# Altium PCB OCP-TimeCardMini-TI_V1.PcbDoc (part 1 of 11)
Units mil, origin at the board's own origin, x right, y up, seen from the top; angles counter-clockwise.
Board outline 5300.46 x 4396.02 mil, 10 copper layers (L01-TOP, L02-GND, L03-SIG, L04-GND, L05-PWR, L06-PWR, L07-GND, L08-SIG, L09-GND, L10-BOT), stack 77.164 mil thick; 832 components, 574 nets, 2904 pads, 1473 vias.
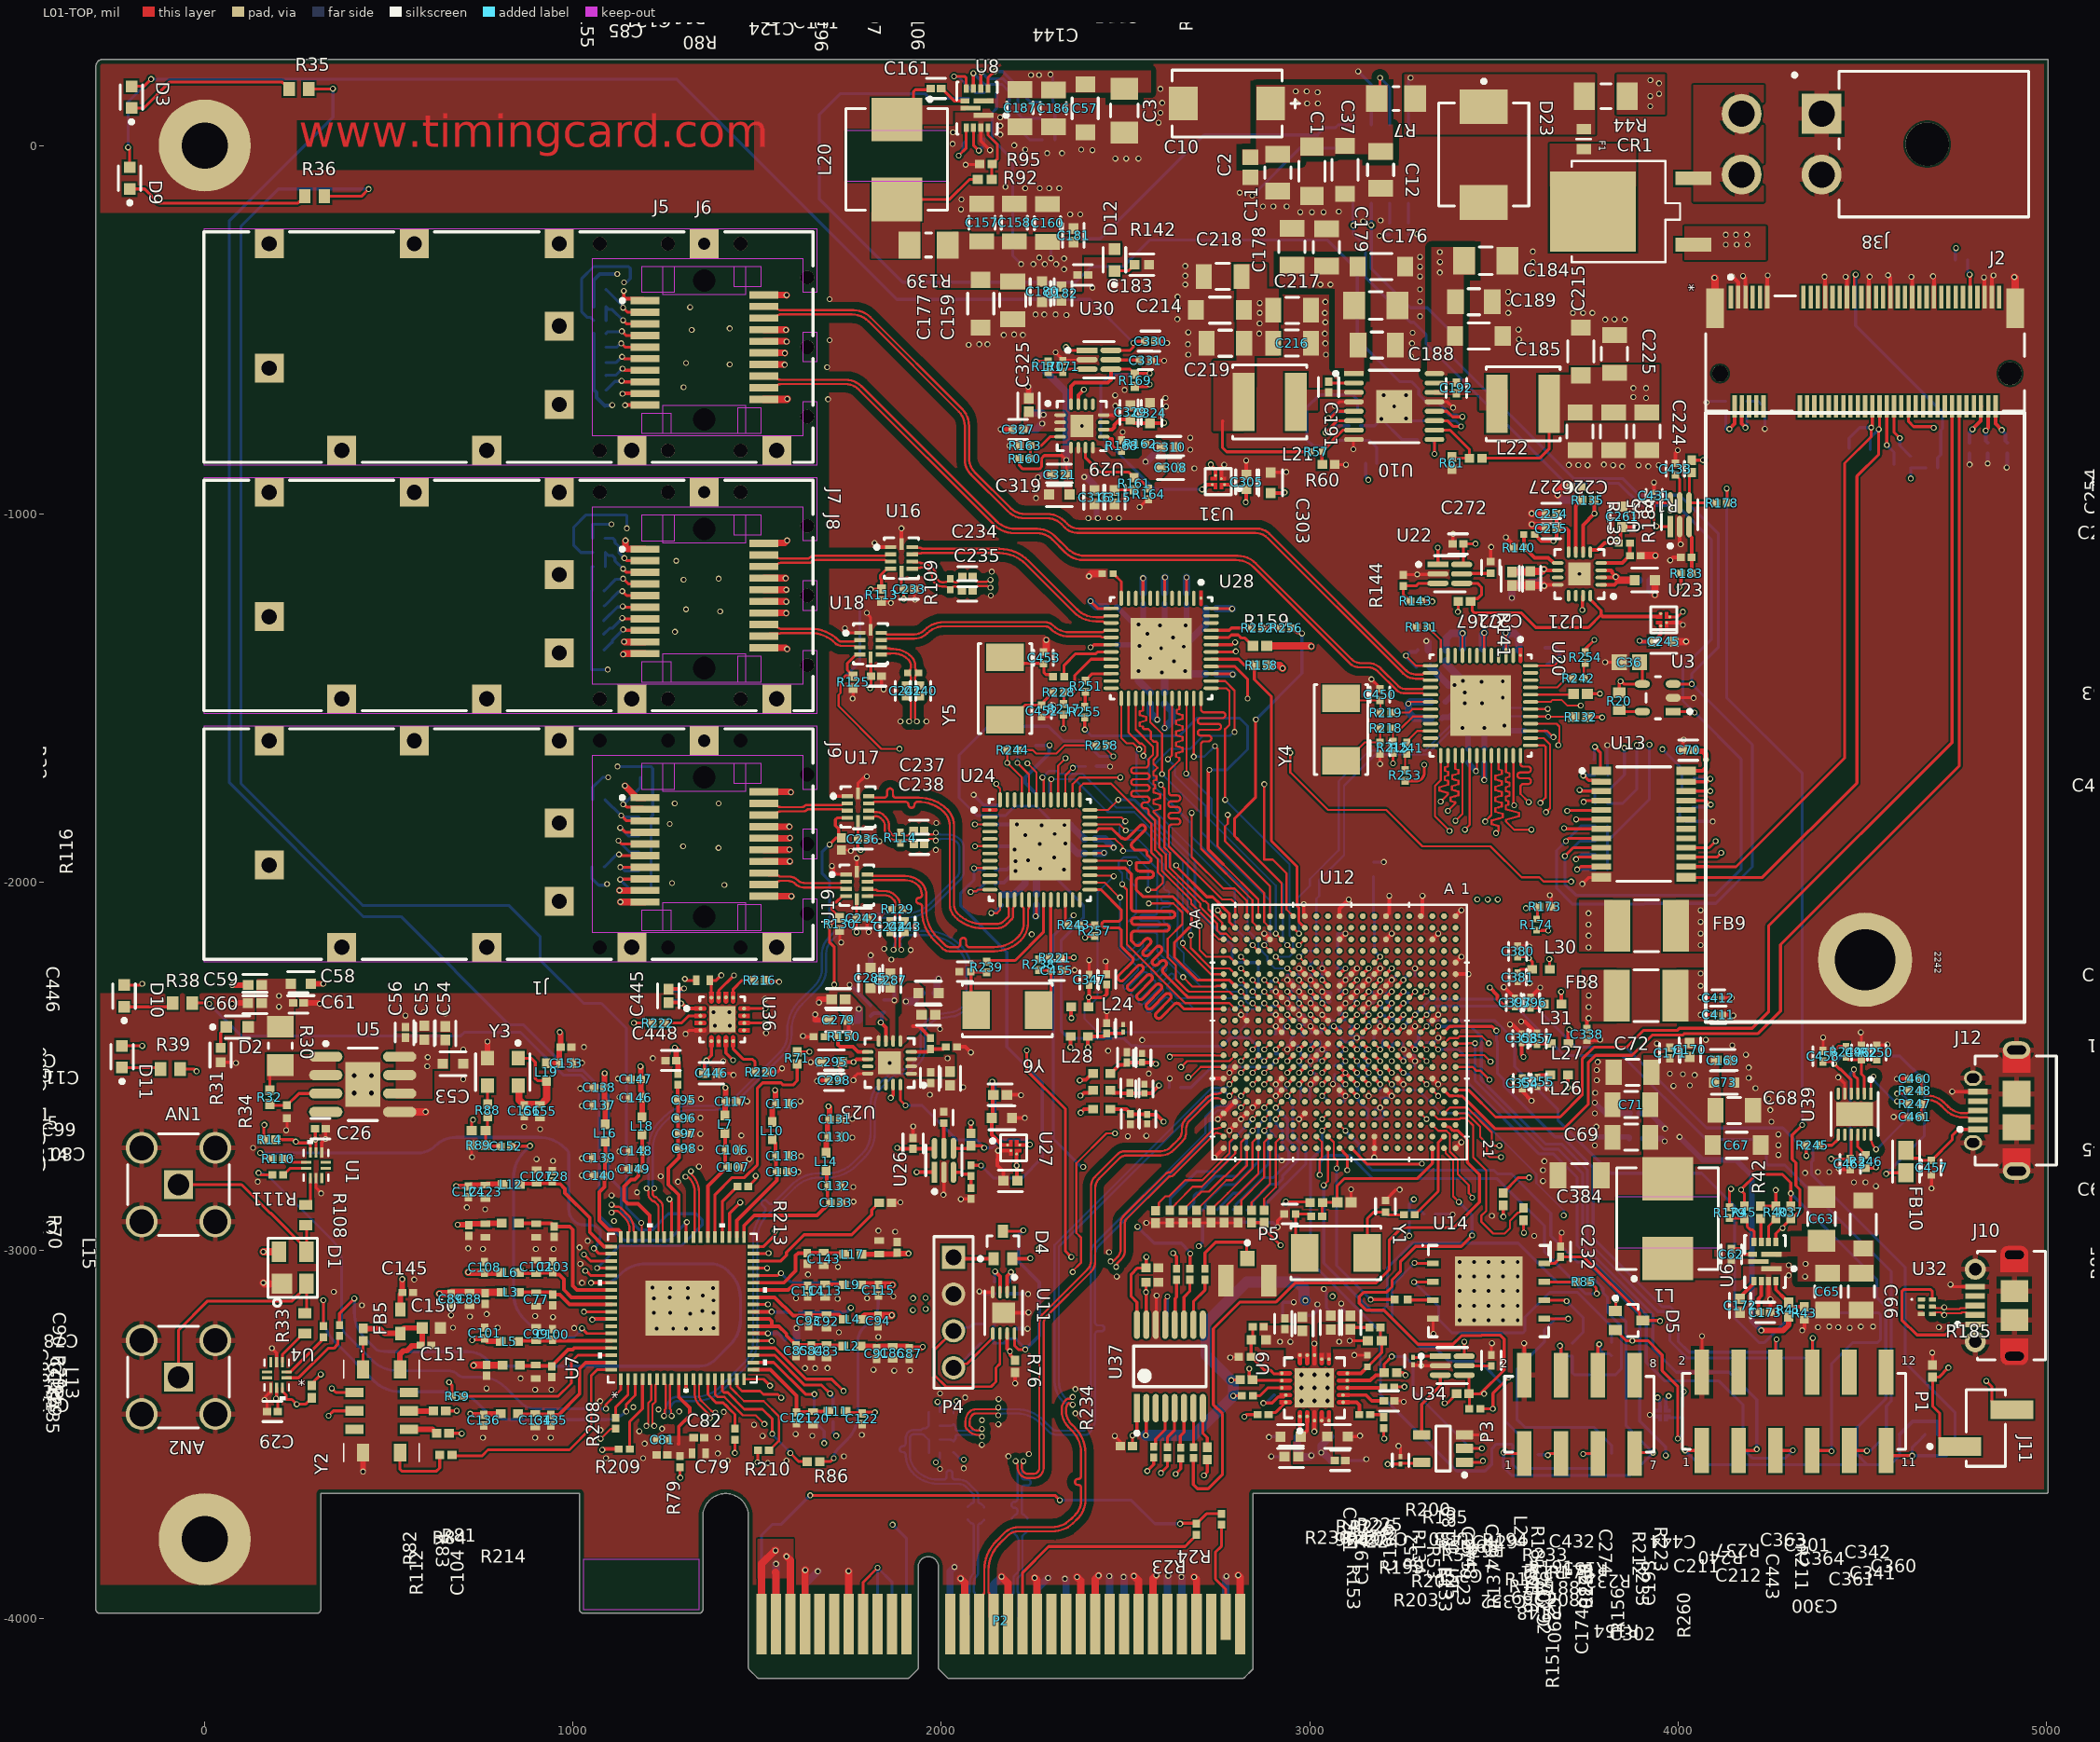
[diagram p0: L01-TOP view]
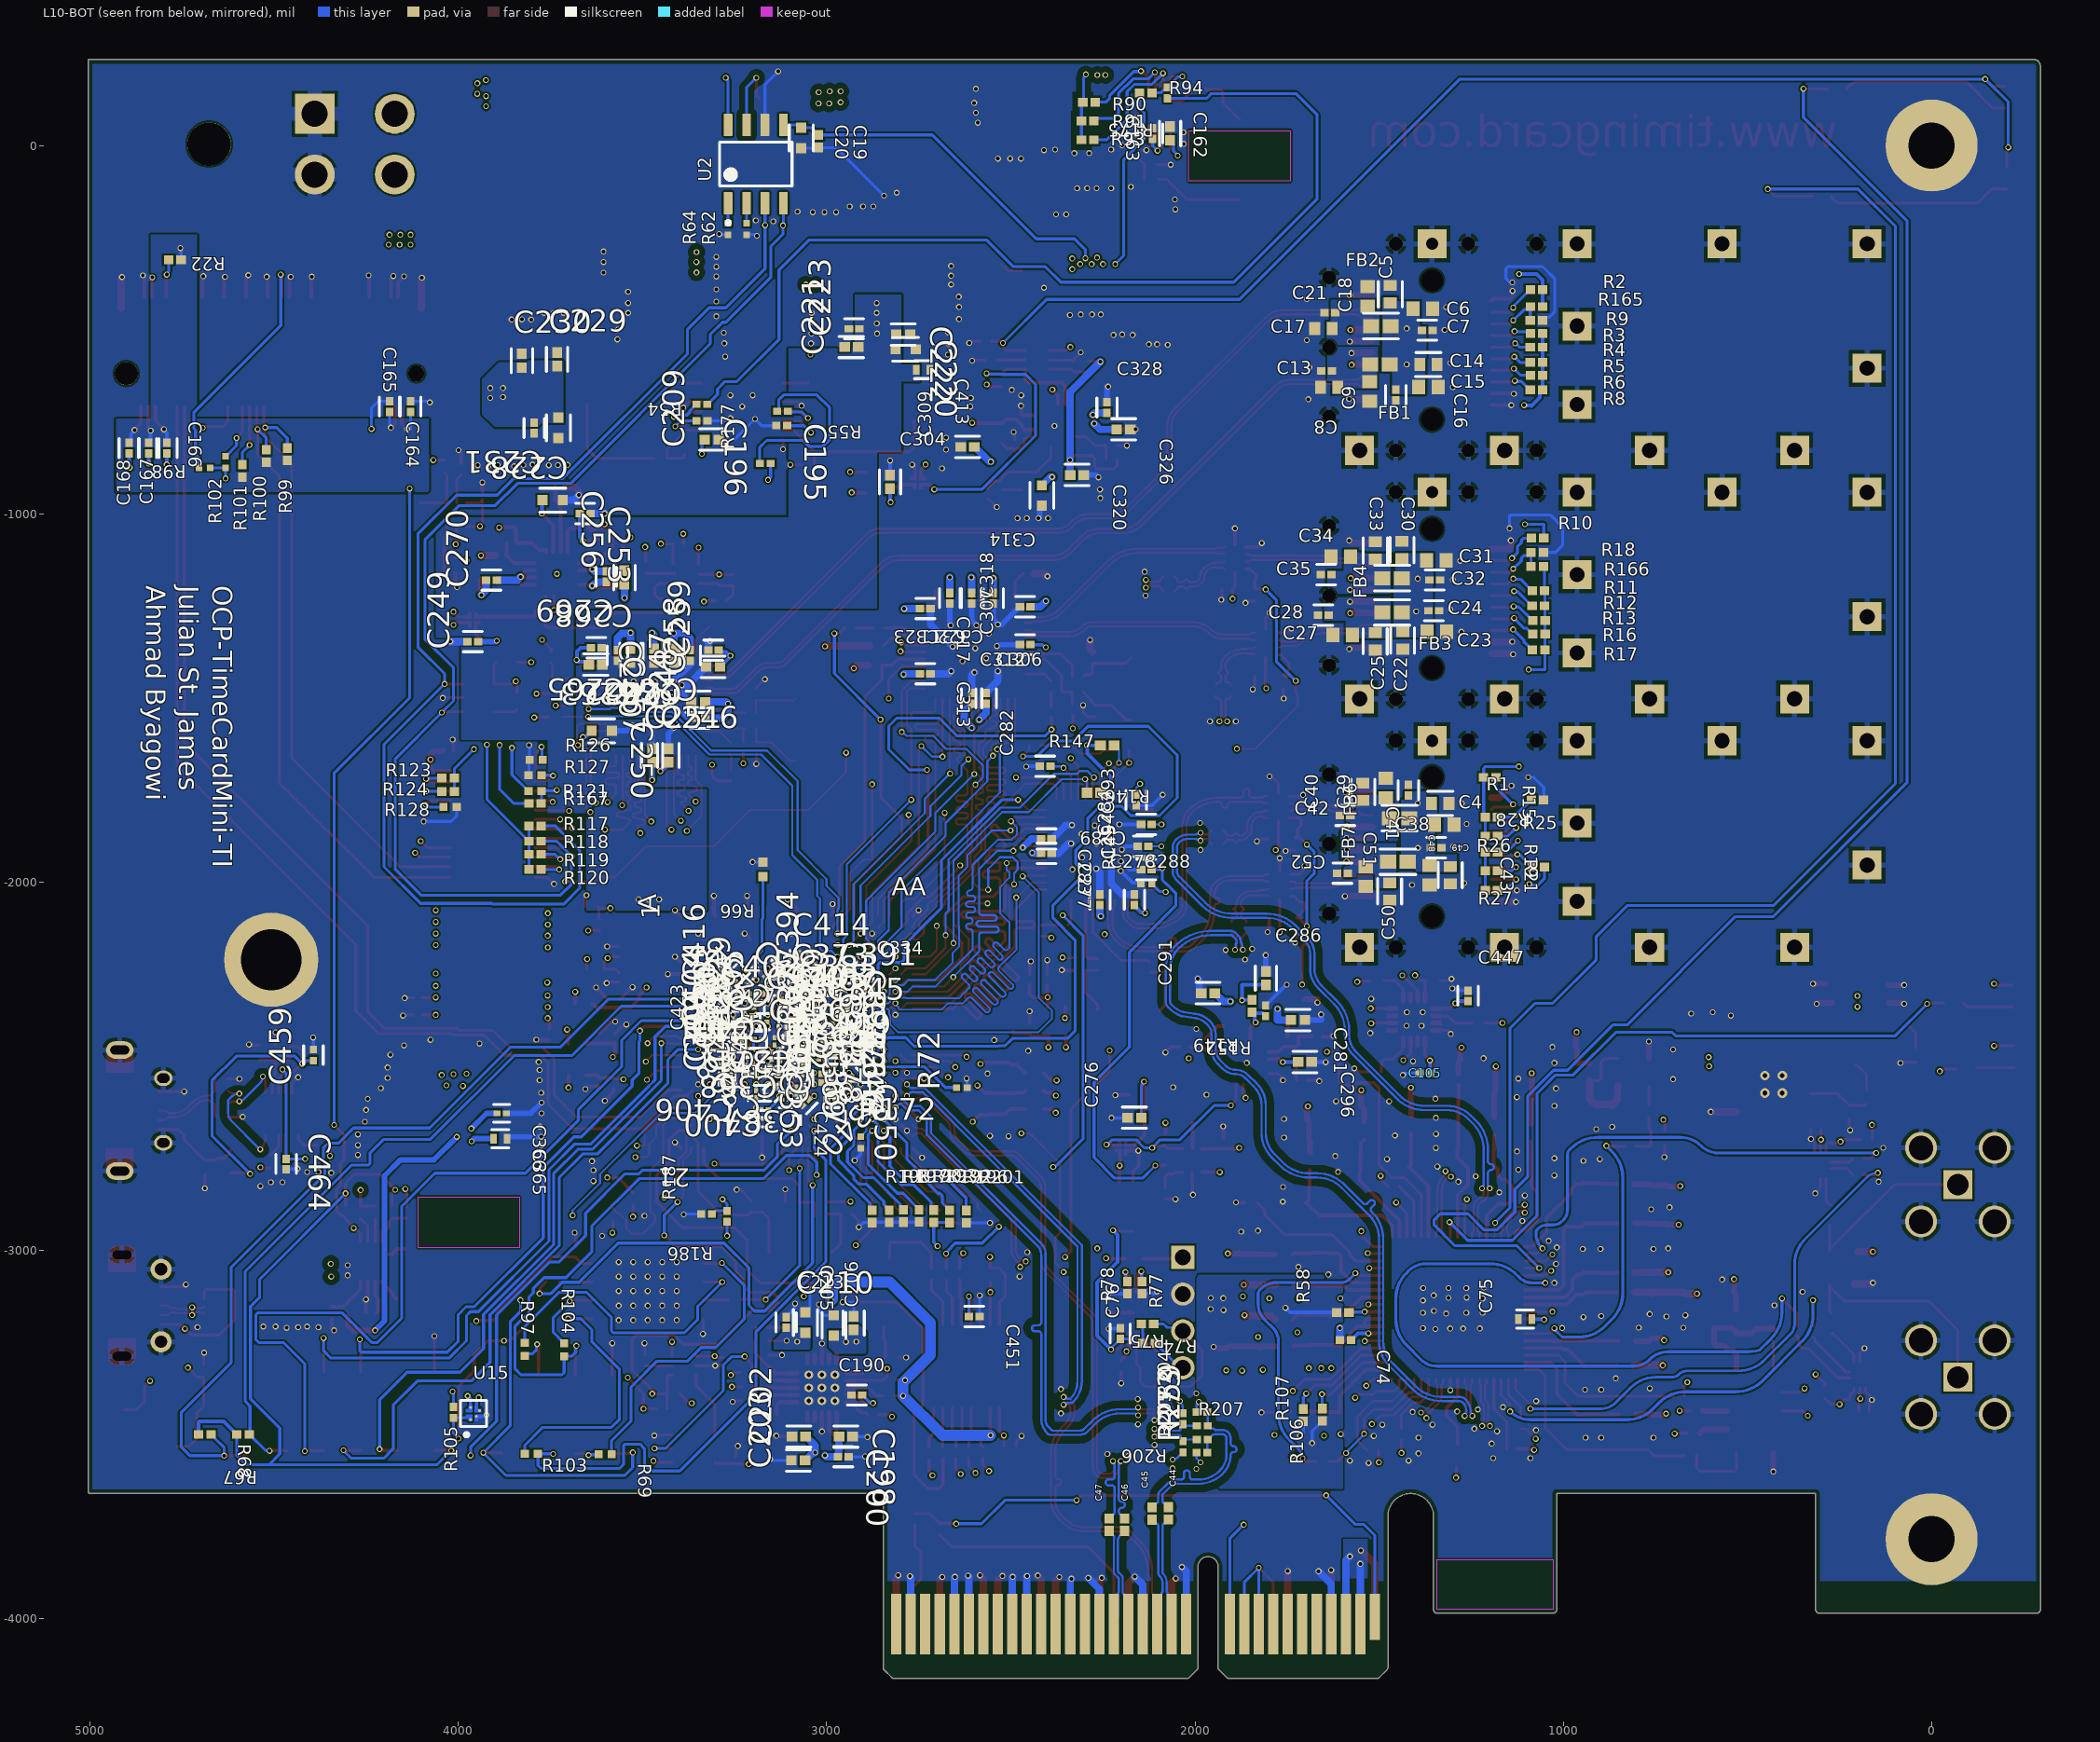
[diagram p1: L10-BOT view, seen from below]
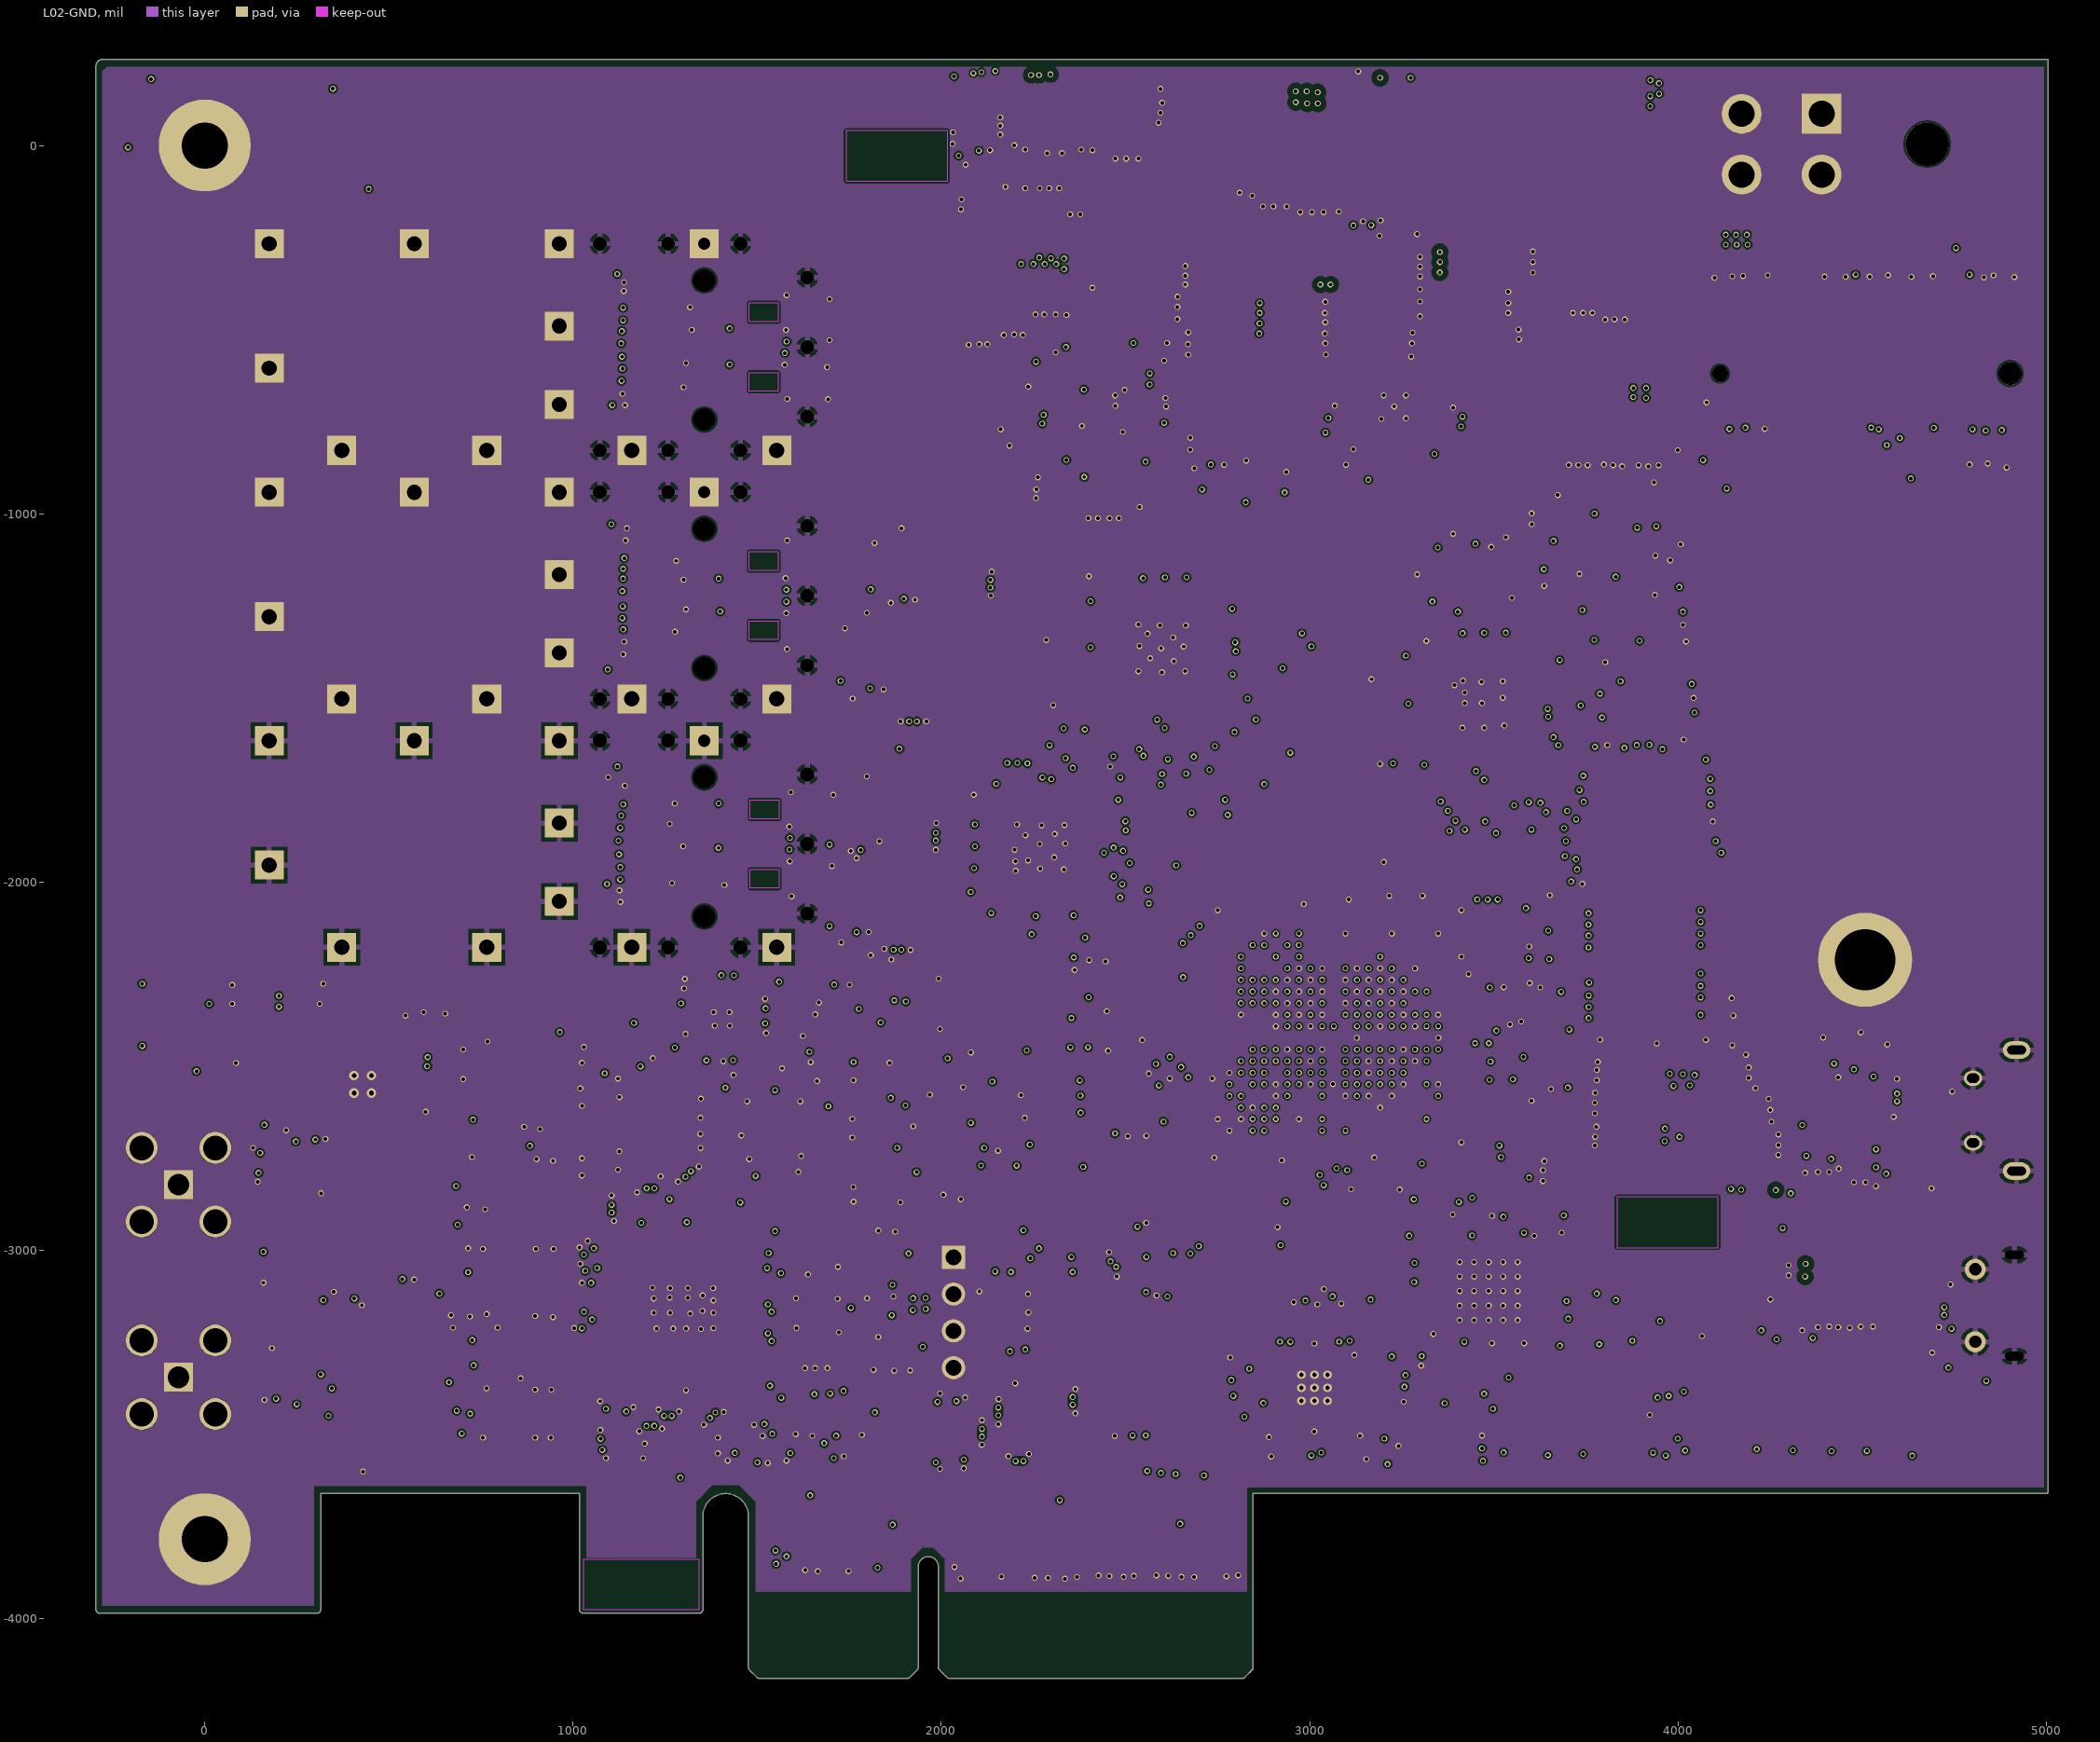
[diagram p2: L02-GND]
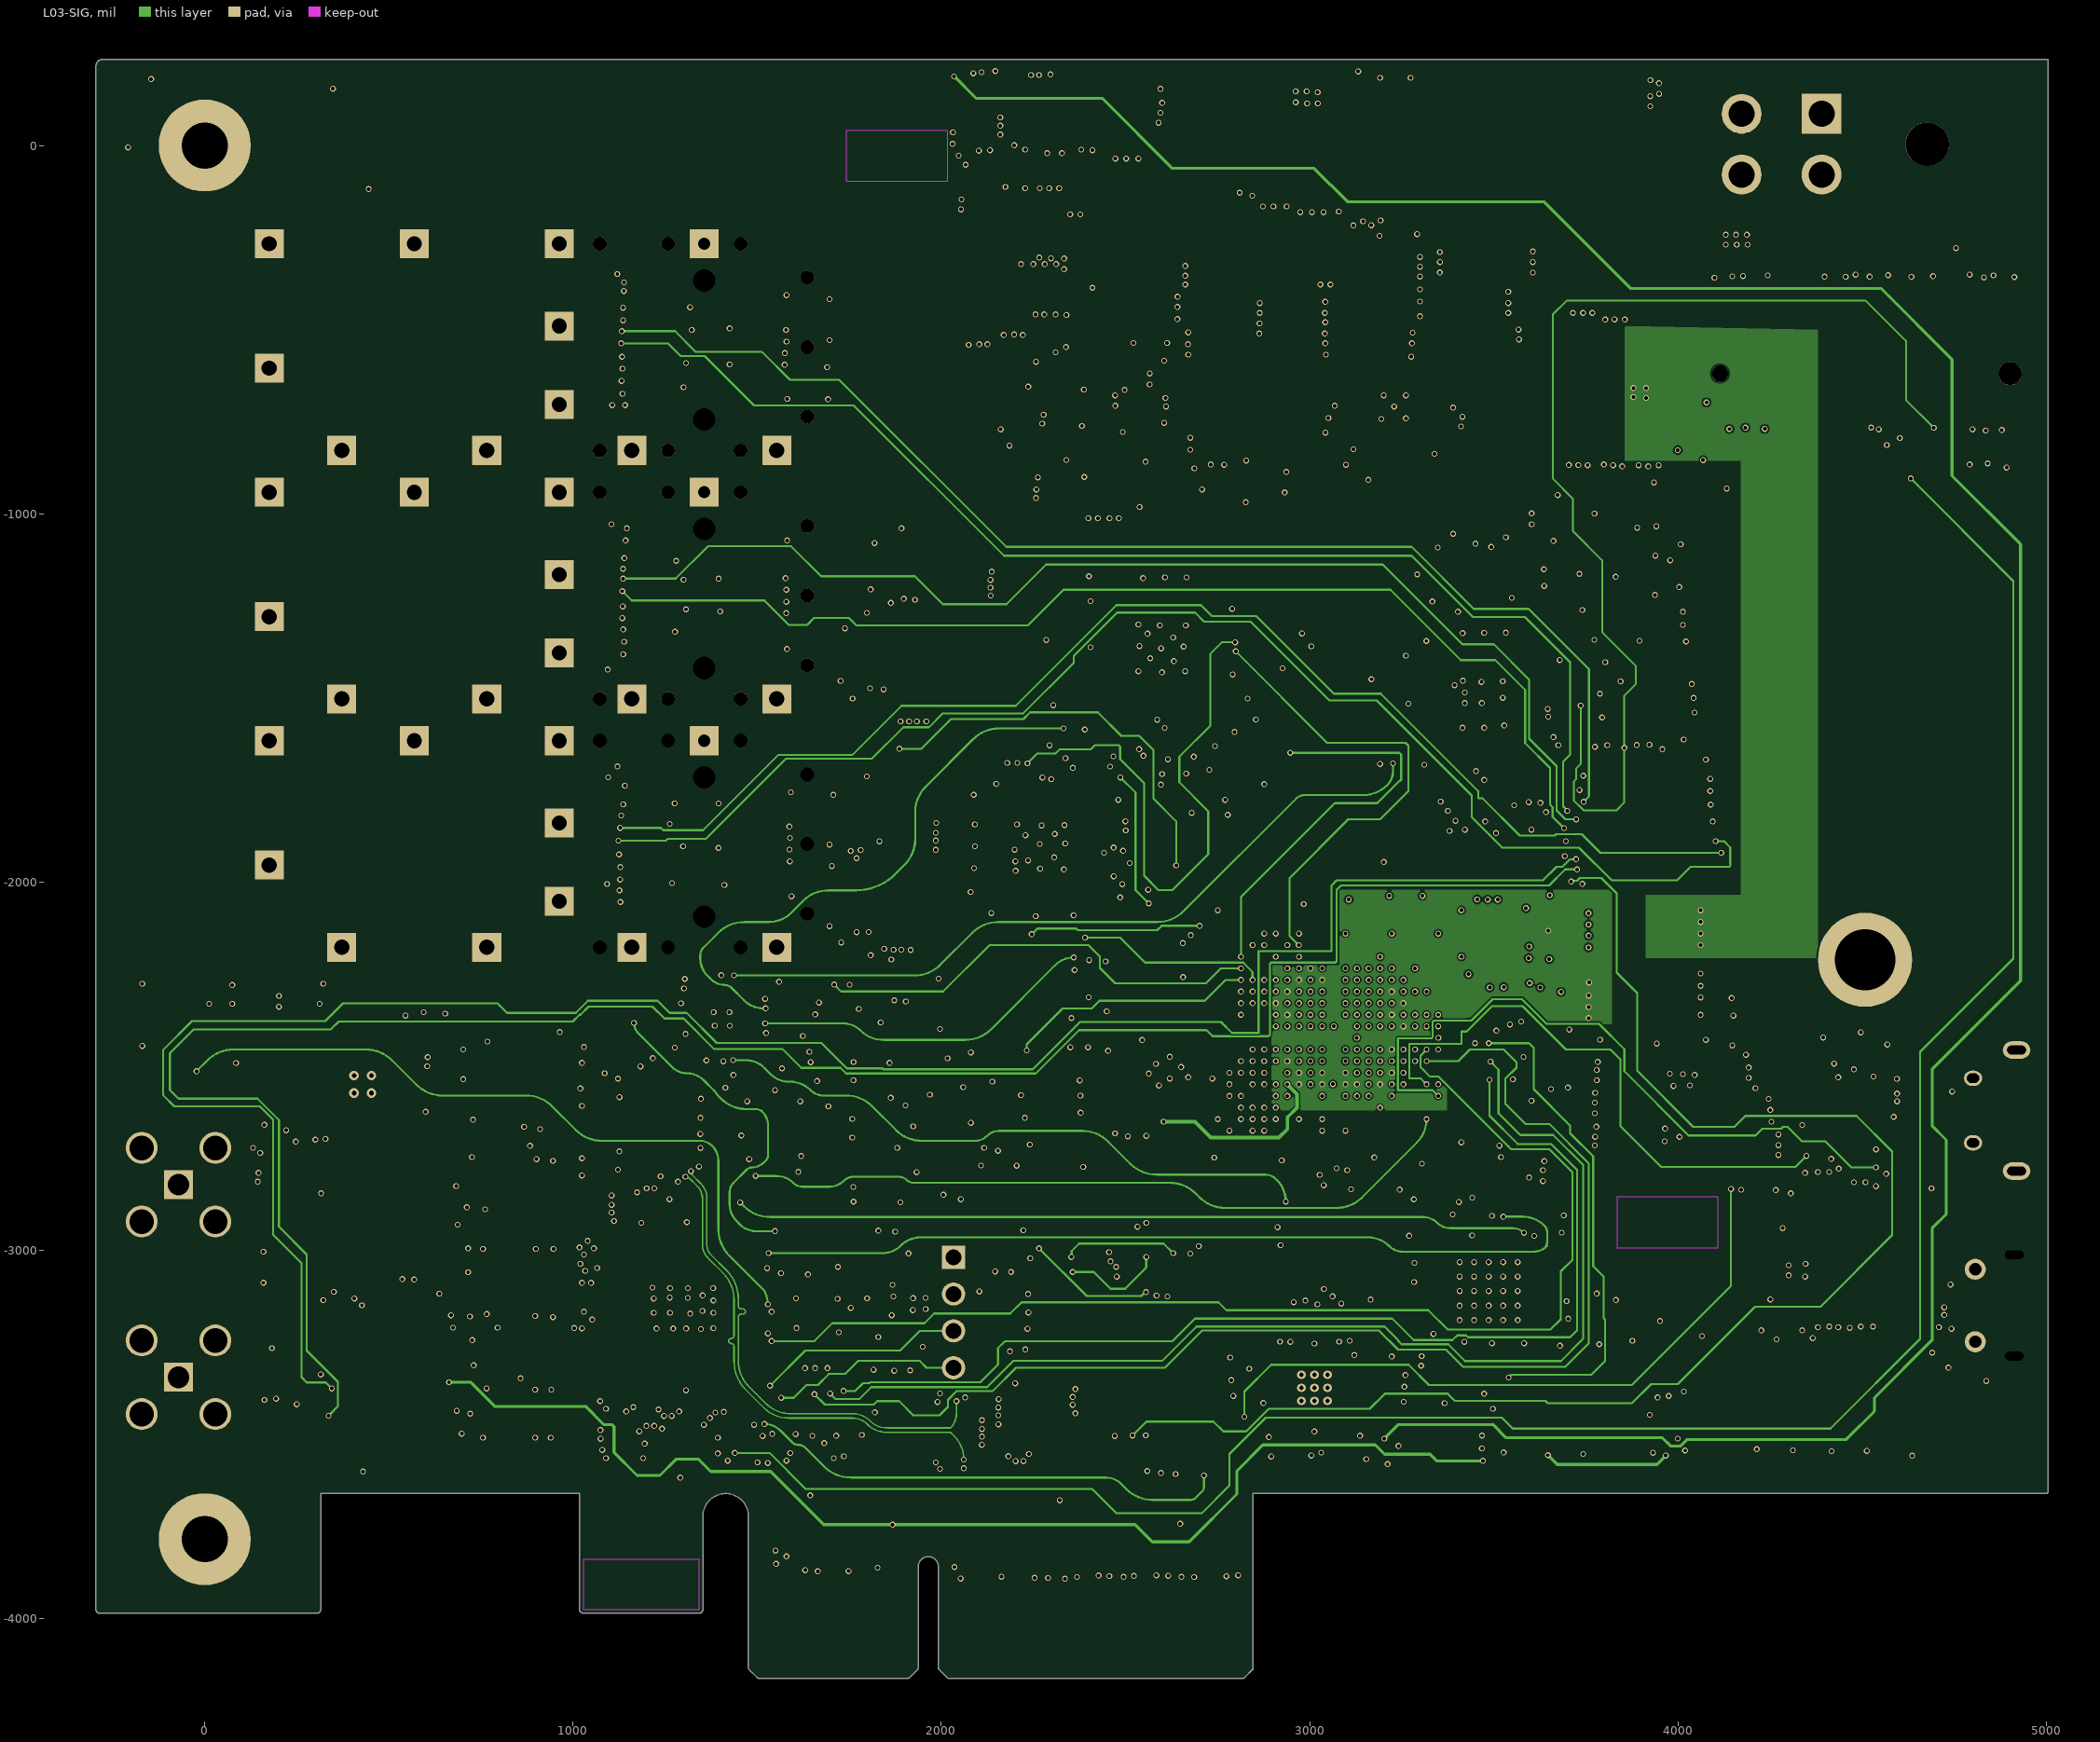
[diagram p3: L03-SIG]